# Altium PCB BC1-1A-BASIS.PcbDoc
Units mm, origin at the board's own origin, x right, y up, seen from the top; angles counter-clockwise.
Board outline 72 x 40 mm, 4 copper layers (Top Layer, Mid 1 (GND), Mid 2 (PWR), Bottom Layer), stack 1.586 mm thick; 104 components, 47 nets, 332 pads, 74 vias.
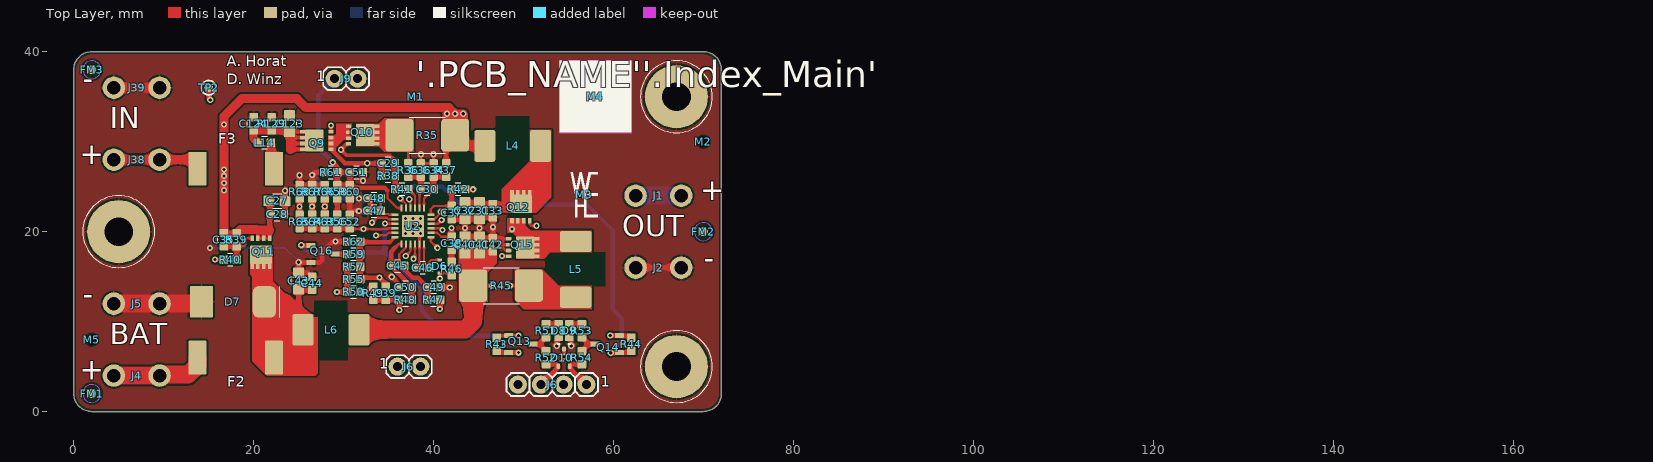
[diagram p0: Top Layer view]
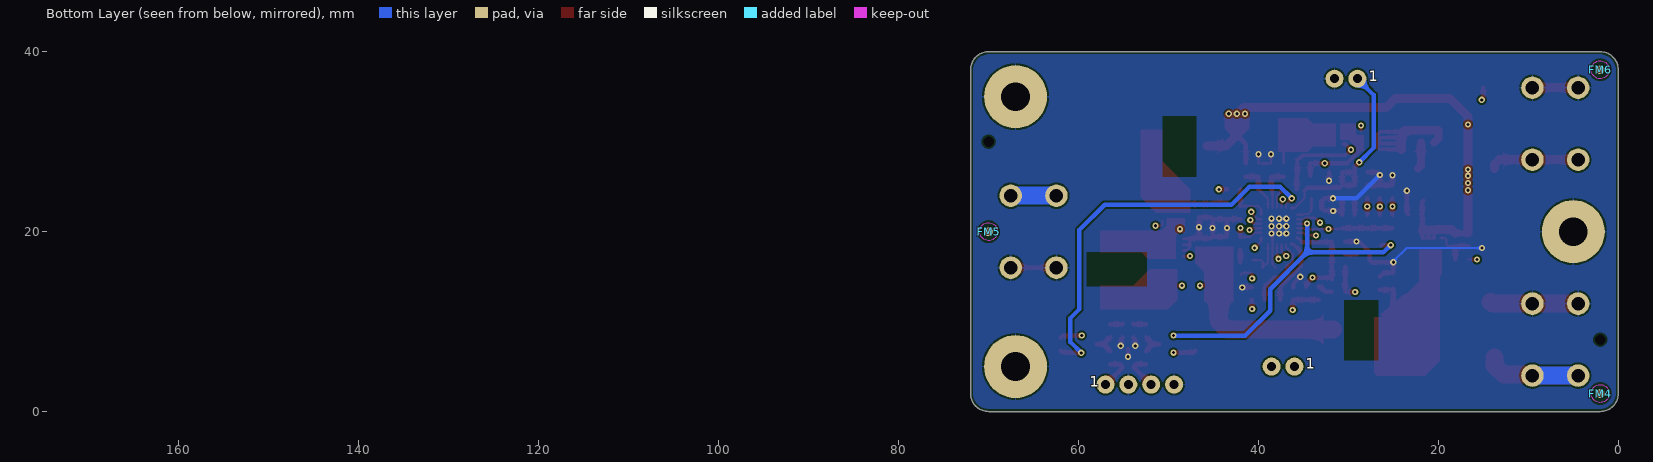
[diagram p1: Bottom Layer view, seen from below]
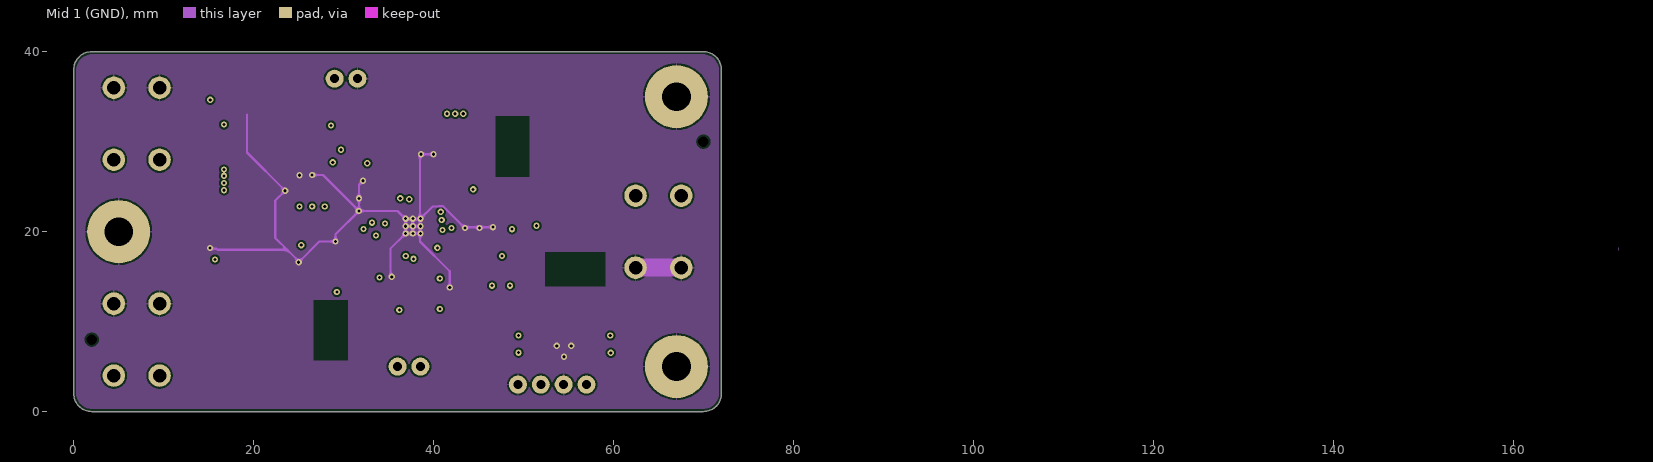
[diagram p2: Mid 1 (GND)]
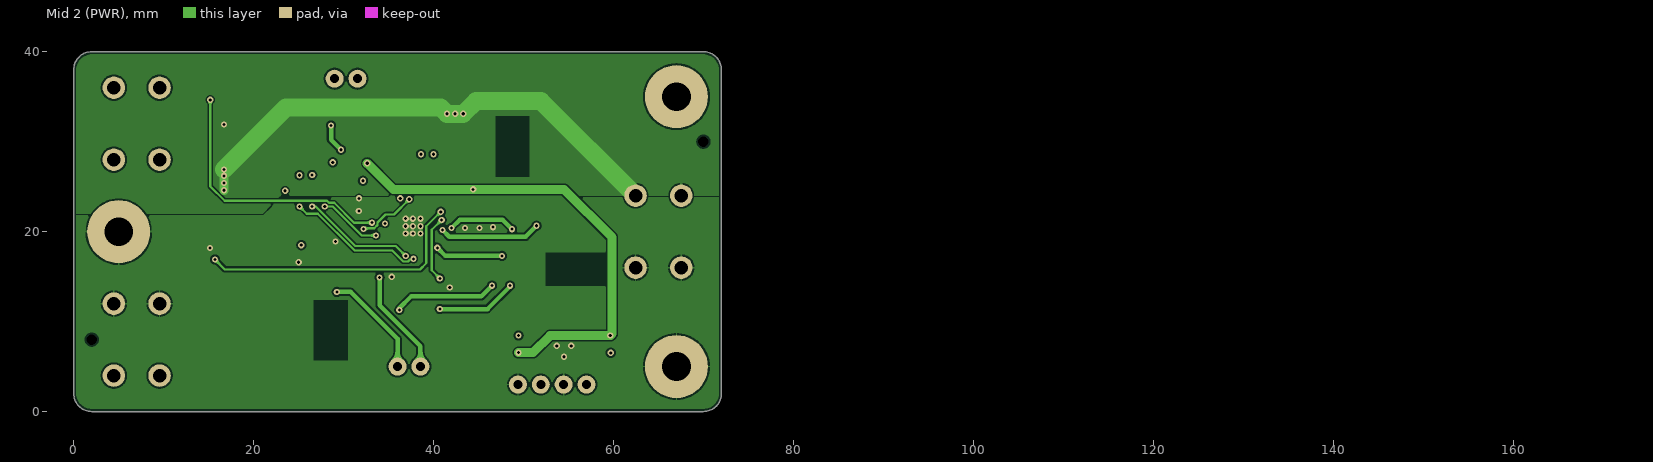
[diagram p3: Mid 2 (PWR)]
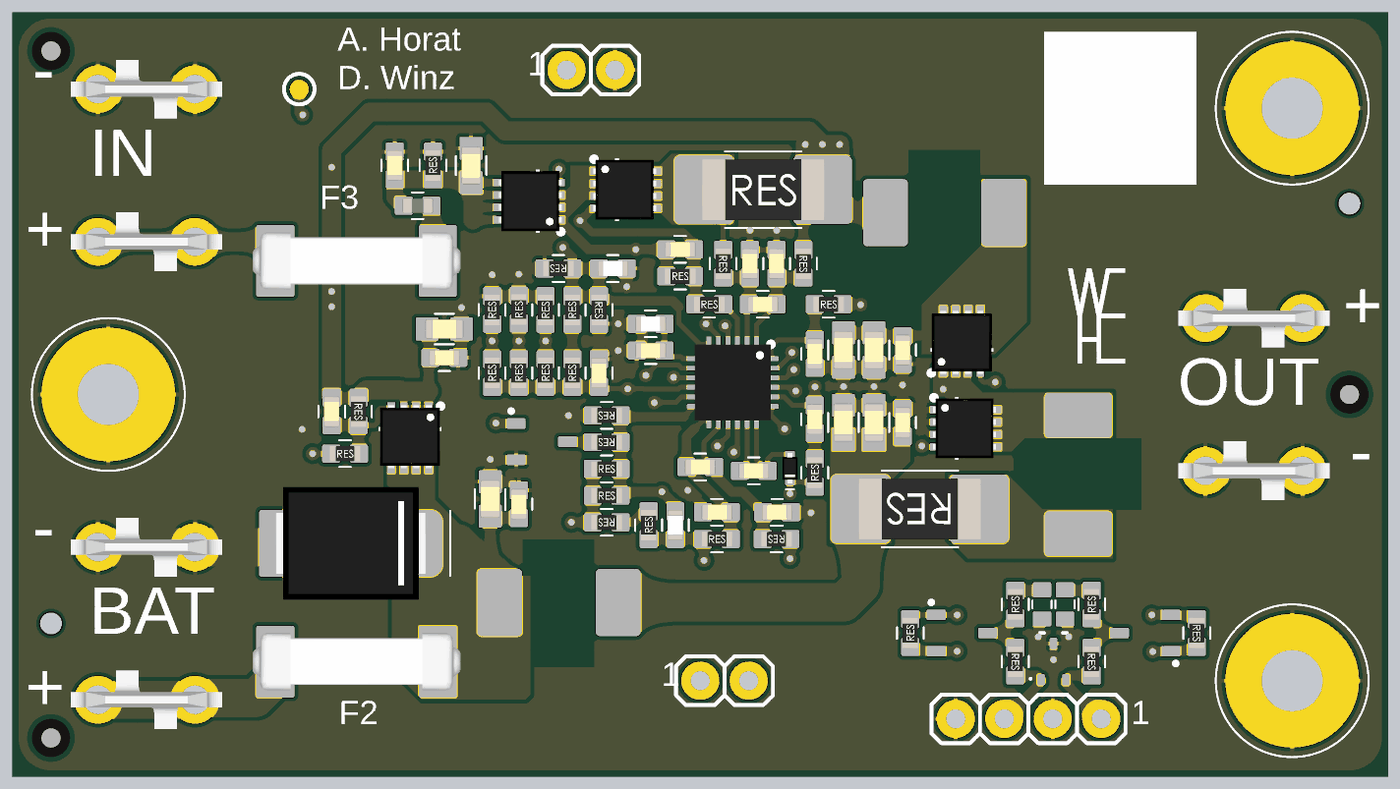
[diagram p4: 3D render of the assembled board from above, using the file's embedded part models]

## Layer stack, top to bottom
Top Solder: solder mask 0.0102, Solder Resist, Dk 3.5
Top Layer: signal copper 0.035
Dielectric 2: prepreg 0.2104, PP-006, Dk 4.1
Mid 1 (GND): signal copper 0.0152
Dielectric 1: dielectric 1.065, FR-4, Dk 4.8
Mid 2 (PWR): signal copper 0.0152
Dielectric 3: prepreg 0.2104, PP-006, Dk 4.1
Bottom Layer: signal copper 0.035
Bottom Solder: solder mask 0.0102, Solder Resist, Dk 3.5

## Board outline
0,2 ccw(c2,2) 2,0 70,0 ccw(c70,2) 72,2 72,38 ccw(c70,38) 70,40 2,40 ccw(c2,38) 0,38

## Design rules (kind name [scope] priority, off if disabled: settings)
BoardOutlineClearance [All] p1: gap=0.3 ignorepadtopadclearanceinfootprint=FALSE except(0: Arc-SplitContinuation Track-SplitContinuation SMDPad-SplitContinuation THPad-SplitContinuation Via-SplitContinuation Fill-SplitContinuation Poly-SplitContinuation Region-SplitContinuation Text-SplitContinuation)
Clearance Clearance_Nettie [InNet('NetJ50_1') or InNet('NetJ47_1') vs InNet('GND')] p1: gap=0 ignorepadtopadclearanceinfootprint=TRUE except(0.25: Arc-Poly Track-Poly SMDPad-Poly THPad-Poly Via-Poly Fill-Poly Poly-Poly)
Clearance Clearance_1 [All] p2: gap=0.2 ignorepadtopadclearanceinfootprint=FALSE except(0: Arc-Hole Track-Hole SMDPad-Hole THPad-Hole Via-Hole Fill-Hole Poly-Hole Region-Hole Text-Hole; 0.15: Arc-Arc Arc-Track Arc-SMDPad Arc-THPad Arc-Via Arc-Text Track-Track Track-SMDPad Track-THPad Track-Via Track-Text SMDPad-SMDPad SMDPad-THPad SMDPad-Via SMDPad-Text THPad-THPad THPad-Via THPad-Text Via-Via Via-Text Text-Text)
Clearance Clearance_LN1 [InNet('LN1') vs InNet('LN2')or InNet('L_f')] p3: gap=1 ignorepadtopadclearanceinfootprint=FALSE except(0: Arc-Hole Track-Hole SMDPad-Hole THPad-Hole Via-Hole Fill-Hole Poly-Hole Region-Hole Text-Hole)
Clearance Clearance_LN2 [InNet('LN2') vs InNet('LN1')or InNet('N_f')] p4: gap=1 ignorepadtopadclearanceinfootprint=FALSE except(0: Arc-Hole Track-Hole SMDPad-Hole THPad-Hole Via-Hole Fill-Hole Poly-Hole Region-Hole Text-Hole)
Clearance Clearance_L_N [InNet('L') or InNet('L_f')       or InNet('L_filt') vs InNet('N') or InNet('N_f')    or InNet('N1')         or InNet('N_filt')] p5: gap=3 ignorepadtopadclearanceinfootprint=FALSE except(0: Arc-Hole Track-Hole SMDPad-Hole THPad-Hole Via-Hole Fill-Hole Poly-Hole Region-Hole Text-Hole)
Clearance Clearance_Main [InNetClass('MAIN') vs not InNetClass('MAIN')] p6: gap=5 ignorepadtopadclearanceinfootprint=FALSE except(0: Arc-Hole Track-Hole SMDPad-Hole THPad-Hole Via-Hole Fill-Hole Poly-Hole Region-Hole Text-Hole)
DiffPairsRouting DiffPairsRouting_1 [InDifferentialPairClass('Ethernet')] p1: maxlimit=0.2 minlimit=0.2 mostfreqgap=0.2 toplayer_minwidth=0.25 toplayer_maxwidth=0.25 toplayer_prefwidth=0.25 midlayer1_minwidth=0.15 midlayer1_maxwidth=0.15 midlayer1_prefwidth=0.15 midlayer2_minwidth=0.15 midlayer2_maxwidth=0.15 midlayer2_prefwidth=0.15 bottomlayer_minwidth=0.25 bottomlayer_maxwidth=0.25 bottomlayer_prefwidth=0.25 impedanceprofiledriven=TRUE impedanceprofileid={F314AFD9-4B0A-4155-A8AD-14F866BC571A} impedanceprofilevalue=100.000000 maxuncoupledlength=12.7
DiffPairsRouting [All] p2: maxlimit=0.254 minlimit=0.254 mostfreqgap=0.254 toplayer_minwidth=0.381 toplayer_maxwidth=0.381 toplayer_prefwidth=0.381 midlayer1_minwidth=0.381 midlayer1_maxwidth=0.381 midlayer1_prefwidth=0.381 midlayer2_minwidth=0.381 midlayer2_maxwidth=0.381 midlayer2_prefwidth=0.381 bottomlayer_minwidth=0.381 bottomlayer_maxwidth=0.381 bottomlayer_prefwidth=0.381 maxuncoupledlength=12.7
Height [All] p1: minheight=0 maxheight=100 prefheight=12.7
HoleSize [All] p1: absolutevalues=TRUE maxlimit=27 minlimit=0.3 maxpercent=80.000 minpercent=20.000
HoleToHoleClearance [All] p1: gap=0.3 allowstackedmicrovias=TRUE
MinimumSolderMaskSliver [All] p1: minsoldermaskwidth=0.1
PolygonConnect [All] p1: thpad.connectstyle=Relief thpad.reliefconductorwidth=0.2 thpad.reliefentries=4 thpad.polygonreliefangle="90 Angle" thpad.airgapwidth=0.2 smdpad.connectstyle=Relief smdpad.reliefconductorwidth=0.2 smdpad.reliefentries=4 smdpad.polygonreliefangle="90 Angle" smdpad.airgapwidth=0.2 via.connectstyle=Direct via.reliefconductorwidth=0.254 via.reliefentries=4 via.polygonreliefangle="90 Angle" via.airgapwidth=0.254
RoutingVias [All] p1: holewidth=0.35 width=0.7 viastyle="Through Hole" minholewidth=0.35 minwidth=0.7 maxholewidth=5 maxwidth=6
SilkToSilkClearance [All] p1: silktosilkclearance=0.1
SilkToSolderMaskClearance [IsPad] p1: minsilkscreentomaskgap=0.1 clearancetoexposedcopper=TRUE
SolderMaskExpansion [All] p1: expansion=0.05 istentingtop=FALSE
UnRoutedNet [All] p1: checkbadconnections=TRUE
Width [All] p1: maxlimit=5 minlimit=0.15 preferedwidth=0.2 minimp=50.000000 maximp=50.000000 favimp=50.000000
22 further rules are at their usual default settings.

## Classes and differential pairs
component class TOP: FM1 FM2 FM3 FM4 FM5 FM6 J1 J2 M1 M2 M3 M4 M5
component class "Mains input": C123 C124 F3 J38 J39 L14 R129
component class "Charger Upper": C27 C28 C29 C30 C31 C32 C33 C34 C35 C36 C37 C38 C39 C40 C41 C42 C43 C44 C45 C46 C47 C48 C49 C50 C51 C52 D6 D7 D8 D9 D10 F2 J4 J5 J6 J9 L4 L5 L6 Q9 Q10 Q11 Q12 Q13 Q14 Q15 Q16 R35 R36 R37 R38 R39 R40 R41 R42 R43 R44 R45 R46 R47 R48 R49 R50 R51 R52 R53 R54 R55 R56 R57 R58 R59 R60 R61 R62 R63 R64 R65 R66 R67 R68 TP2 U2

## Components (designator, comment, footprint, x,y, rotation, side; value= is the part's Value field where it differs from the comment)
C27 "10U/0805/50V/X5R" CAP0805_X7R 22.6,23.427 r0 top value=10uF (schematic designator C200)
C28 "100N/0603/50V/X7R" CAP0603_X7R 22.6,21.927 r0 top value=100nF (schematic designator C201)
C29 "100N/0603/50V/X7R" CAP0603_X7R 34.949,27.599 r0 top value=100nF (schematic designator C203)
C30 "100N/0603/50V/X7R" CAP0603_X7R 39.275,24.727 r0 top value=100nF (schematic designator C202)
C31 "10U/0805/50V/X5R" CAP0805_X7R 45.1,22.327 r270 top value=10uF (schematic designator C204)
C32 "10U/0805/50V/X5R" CAP0805_X7R 43.5,22.327 r270 top value=10uF (schematic designator C205)
C33 "100N/0603/50V/X7R" CAP0603_X7R 46.6,22.327 r270 top value=100nF (schematic designator C206)
C34 "100N/0603/50V/X7R" CAP0603_X7R 40,26.852 r90 top value=100nF (schematic designator C225)
C35 "100N/0603/50V/X7R" CAP0603_X7R 16.701,19.1 r270 top value=100nF (schematic designator C208)
C36 "100N/0603/50V/X7R" CAP0603_X7R 38.6,26.852 r90 top value=100nF (schematic designator C209)
C37 "1.0U/0603/50V/X7R" CAP0603_X7R 42,22.127 r90 top value=1.0uF (schematic designator C207)
C38 "1.0U/0603/50V/X7R" CAP0603_X7R 42,18.7 r90 top value=1.0uF (schematic designator C211)
C39 "10P/0603/50V/C0G" CAP0603_C0G 34.7,13.152 r90 top value=10pF (schematic designator C213)
C40 "22U/0805/25V/X5R" CAP0805_X7R 43.5,18.527 r90 top value=22uF (schematic designator C214)
C41 "22U/0805/25V/X5R" CAP0805_X7R 45.1,18.527 r90 top value=22uF (schematic designator C215)
C42 "100N/0603/50V/X7R" CAP0603_X7R 46.6,18.527 r90 top value=100nF (schematic designator C216)
C43 "10U/0805/50V/X5R" CAP0805_X7R 25,14.527 r90 top value=10uF (schematic designator C217)
C44 "100N/0603/50V/X7R" CAP0603_X7R 26.5,14.252 r90 top value=100nF (schematic designator C218)
C45 "100N/0603/50V/X7R" CAP0603_X7R 36.001,16.2 r180 top value=100nF (schematic designator C212)
C46 "1.0U/0603/50V/X7R" CAP0603_X7R 38.801,16 r0 top value=1.0uF (schematic designator C219)
C47 "100N/0603/50V/X7R" CAP0603_X7R 33.401,22.3 r180 top value=100nF (schematic designator C220)
C48 "10N/0603/50V/C0G" CAP0603_C0G 33.401,23.7 r180 top value=10nF (schematic designator C221)
C49 "100N/0603/50V/X7R" CAP0603_X7R 40.025,13.827 r0 top value=100nF (schematic designator C222)
C50 "100N/0603/50V/X7R" CAP0603_X7R 36.875,13.827 r180 top value=100nF (schematic designator C223)
C51 "10P/0603/50V/C0G" CAP0603_C0G 31.425,26.6 r0 top value=10pF (schematic designator C224)
C52 "1.0U/0603/50V/X7R" CAP0603_X7R 30.7,21.127 r90 top value=1.0uF (schematic designator C210)
C123 "10U/0805/50V/X5R" CAP0805_X7R 24,32 r90 top value=10uF (schematic designator C100)
C124 "100N/0603/50V/X7R" CAP0603_X7R 20,32 r90 top value=100nF (schematic designator C101)
D6 "BAS70-02V-G3-08" SOD1608X065 40.7,16.127 r90 top value=70V/100mA (schematic designator D203)
D7 "5.0SMDJ15CA" DIOM7959X265 17.7,12.2 r180 top (schematic designator D202)
D8 "LED Green" LED0603_GREEN 53.9,9 r90 top value=Green (schematic designator D200)
D9 "LED Red" LED0603_RED 55.1,9 r90 top value=Red (schematic designator D201)
D10 "PESD1CAN-UX" SOT65P210X95-3-SE 54.5,6 r270 top (schematic designator D204)
F2 "6.3A/UMT250/FUSE" UMT250 18,6 r180 top value=6.3A (schematic designator F200)
F3 "3.15A/UMT250/FUSE" UMT250 18,27 r0 top value=3.15A (schematic designator F100)
FM1 "Fidu_1mm" FIDU-1MM 2,2 r0 top
FM2 "Fidu_1mm" FIDU-1MM 70,20 r0 top
FM3 "Fidu_1mm" FIDU-1MM 2,38 r0 top
FM4 "Fidu_1mm" FIDU-1MM 2,2 r180 bottom
FM5 "Fidu_1mm" FIDU-1MM 70,20 r180 bottom
FM6 "Fidu_1mm" FIDU-1MM 2,38 r180 bottom
J1 "6.35mmx0.81mm Tab THT" Tab_THT_635 65,24 r180 top
J2 "6.35mmx0.81mm Tab THT" Tab_THT_635 65,16 r180 top
J4 "6.35mmx0.81mm Tab THT" Tab_THT_635 7,4 r180 top (schematic designator J200)
J5 "6.35mmx0.81mm Tab THT" Tab_THT_635 7,12 r180 top (schematic designator J201)
J6 "Header_1x2" HEAD_254_1X2 36,5 r90 top
J6 "Header_1x4" HEAD_254_1X4 57,3 r270 top (schematic designator J203)
J9 "Header_1x2" HEAD_254_1X2 29,37 r90 top
J38 "6.35mmx0.81mm Tab THT" Tab_THT_635 7,28 r0 top (schematic designator J101)
J39 "6.35mmx0.81mm Tab THT" Tab_THT_635 7,36 r0 top (schematic designator J102)
L4 "470NH/6630" INDM660730X30 48.8,29.527 r0 top value=470NH (schematic designator L200)
L5 "22UH/6630" INDM660730X30 55.801,15.8 r270 top value=22UH (schematic designator L201)
L6 "470NH/6630" INDM660730X30 28.601,9.1 r0 top value=470NH (schematic designator L202)
L14 "30R/0603/FERRITE" FB0603 21.199,29.89 r180 top value=30R (schematic designator L100)
M1 "PCB NAME" PCB-NAME-5MM-LEFT 38,35 r0 top
M2 "Tooling JLC" TOOLING-JLC 70,30 r0 top
M3 "LOGO WHE" LOGO-WHE-5MM 55.75,21.625 r0 top
M4 "SERIAL 2D" SERIAL-2D-8MM-RESTRICT 58,35 r0 top
M5 "Tooling JLC" TOOLING-JLC 2,8 r90 top
Q9 "MCG35P04-TP" SON065P330X330X075-5-TH245X175 27.1,30.127 r90 top (schematic designator Q200)
Q10 "MCG35P04-TP" SON065P330X330X075-5-TH245X175 32.04,30.727 r270 top (schematic designator Q201)
Q11 "MCG35P04-TP" SON065P330X330X075-5-TH245X175 20.8,17.787 r180 top (schematic designator Q202)
Q12 "GSFN1036" SON065P330X330X075-5-TH245X175 49.7,22.727 r0 top (schematic designator Q203)
Q13 "BSS84" SOT2395P280X125-3-SE 49.7,7.5 r180 top (schematic designator Q206)
Q14 "BSS84" SOT2395P280X125-3-SE 59.3,7.5 r0 top (schematic designator Q207)
Q15 "GSFN1036" SON065P330X330X075-5-TH245X175 49.84,18.227 r270 top (schematic designator Q204)
Q16 "2N7002" SOT2395P280X125-3-SE 27.7,17.527 r180 top (schematic designator Q205)
R35 "0R025/2512" R2512-0.65-WW 39.3,30.727 r0 top value=0R025 (schematic designator R200)
R36 "0R/0603" R0603-0.40-WW 37.2,26.852 r270 top value=0R (schematic designator R227)
R37 "0R/0603" R0603-0.40-WW 41.4,26.852 r270 top value=0R (schematic designator R228)
R38 "100K/0603" R0603-0.40-WW 34.949,26.199 r0 top value=100K (schematic designator R201)
R39 "100K/0603" R0603-0.40-WW 18.101,19.1 r270 top value=100K (schematic designator R202)
R40 "1K/0603" R0603-0.40-WW 17.401,16.9 r0 top value=1K (schematic designator R203)
R41 "1K/0603" R0603-0.40-WW 36.475,24.727 r0 top value=1K (schematic designator R204)
R42 "10R/0603" R0603-0.40-WW 42.725,24.727 r0 top value=10R (schematic designator R226)
R43 "100K/0603" R0603-0.40-WW 47,7.5 r90 top value=100K (schematic designator R207)
R44 "100K/0603" R0603-0.40-WW 62,7.5 r270 top value=100K (schematic designator R231)
R45 "0R025/2512" R2512-0.65-WW 47.501,14 r180 top value=0R025 (schematic designator R208)
R46 "10R/0603" R0603-0.40-WW 42,15.9 r90 top value=10R (schematic designator R209)
R47 "0R/0603" R0603-0.40-WW 40,12.427 r180 top value=0R (schematic designator R229)
R48 "0R/0603" R0603-0.40-WW 36.875,12.427 r0 top value=0R (schematic designator R230)
R49 "51K/0603" R0603-0.40-WW 33.3,13.152 r90 top value=51K (schematic designator R210)
R50 "680K/0603" R0603-0.40-WW 31.101,13.3 r180 top value=680K (schematic designator R211)
R51 "2K2/0603" R0603-0.40-WW 52.5,9 r90 top value=2K2 (schematic designator R205)
R52 "0R/0603" R0603-0.40-WW 52.5,6 r270 top value=0R (schematic designator R232)
R53 "2K2/0603" R0603-0.40-WW 56.5,9 r90 top value=2K2 (schematic designator R206)
R54 "0R/0603" R0603-0.40-WW 56.5,6 r270 top value=0R (schematic designator R233)
R55 "100K/0603/NTC/4700K" R0603-0.40-WW 31.101,14.7 r0 top value=100K (schematic designator R212)
R56 "47K/0603" R0603-0.40-WW 29.3,21.127 r90 top value=47K (schematic designator R213)
R57 "110K/0603" R0603-0.40-WW 31.101,16.1 r0 top value=110K (schematic designator R214)
R58 "20K/0603" R0603-0.40-WW 29.3,24.427 r90 top value=20K (schematic designator R215)
R59 "3M3/0603" R0603-0.40-WW 31.101,17.5 r180 top value=3M3 (schematic designator R216)
R60 "100K/0603/NTC/4700K" R0603-0.40-WW 30.7,24.427 r270 top value=100K (schematic designator R217)
R61 "150K/0603" R0603-0.40-WW 28.575,26.6 r180 top value=150K (schematic designator R218)
R62 "150K/0603" R0603-0.40-WW 31.101,18.9 r180 top value=150K (schematic designator R219)
R63 "75K/0603" R0603-0.40-WW 27.901,21.127 r90 top value=75K (schematic designator R220)
R64 "16K/0603" R0603-0.40-WW 26.501,21.127 r90 top value=16K (schematic designator R221)
R65 "62K/0603" R0603-0.40-WW 25.101,21.127 r90 top value=62K (schematic designator R222)
R66 "24K/0603" R0603-0.40-WW 27.901,24.427 r90 top value=24K (schematic designator R223)
R67 "2K2/0603" R0603-0.40-WW 26.501,24.452 r90 top value=2K2 (schematic designator R224)
R68 "27K/0603" R0603-0.40-WW 25.101,24.427 r90 top value=27K (schematic designator R225)
R129 "1M/0603" R0603-0.40-WW 22,32 r90 top value=1M (schematic designator R102)
TP2 "TP_SMD_1" TP_SMD_1 15,36 r270 top (schematic designator TP200)
U2 "BQ24610" QFN050P400X400X100-24-TH245X245 37.7,20.627 r270 top (schematic designator U200)

## Footprints (in the part's own frame and the unit in brackets; to place one, negate y for a bottom-side part, rotate by r counter-clockwise, add the part's x,y. Pads: shape width x height; smd on the part's side, far side on the other; paste and mask are expansions set on the pad)
CAP0603_C0G [mm]
  rrect20% 0.95x0.95 smd: 1(-0.725,0) 2(0.725,0)
  silkscreen extent -0.3,-0.7 0.3,0.7, body extent -0.8,-0.41 0.8,0.41, height 0.57
CAP0603_X7R [mm]
  rrect20% 0.95x0.95 smd: 1(-0.725,0) 2(0.725,0)
  silkscreen extent -0.3,-0.7 0.3,0.7, body extent -0.8,-0.41 0.8,0.41, height 0.57
CAP0805_X7R [mm] "Chip Capacitor 0805mil / 2012mm"
  rrect10% 1.2x1.2 smd: 1(-0.9,0) 2(0.9,0)
  silkscreen extent -0.5,-0.8 0.5,0.8, body extent -1,-0.51 1,0.51, height 0.72
DIOM7959X265 [mm] "DO-214AB"
  rrect50% 2.6x3.5 smd: 1(-3.5,0)
  rrect10% 2.6x3.5 smd: 2(3.5,0)
  silkscreen extent -5.2,-1.7 -5.2,1.7, body extent -3.95,-2.95 3.95,2.95, height 2.3
FB0603 [mm]
  rrect20% 0.95x0.95 smd: 1(-0.725,0) 2(0.725,0)
  silkscreen extent -0.3,-0.7 0.3,0.7, body extent -0.8,-0.4 0.8,0.4, height 1
FIDU-1MM [mm] "Fiducial 1mm"
  round 1 smd mask+0.5: 1(0,0)
  Top Layer keep-out circle w0.1: c0,0 r1
HEAD_254_1X2 [mm] "Header 2.54mm 1x2"
  round 2 hole 1: 1(0,0) 2(0,-2.54)
  silkscreen extent -1.27,-3.81 1.27,1.27, body extent -1.27,-3.81 1.27,1.27, height 10
HEAD_254_1X4 [mm] "Header 2.54mm 1x4"
  round 2 hole 1: 1(0,0) 2(0,-2.54) 3(0,-5.08) 4(0,-7.62)
  silkscreen extent -1.27,-8.89 1.27,1.27, body extent -1.27,-8.89 1.27,1.27, height 10
INDM660730X30 [mm]
  rrect20% 2.35x3.52 smd: 1(-3.1,0) 2(3.1,0)
  body extent -3.7,-3.4 3.7,3.3, height 3
LED0603_GREEN [mil]
  rrect20% 31x38 smd: 1(-30,0) 2(30,0)
  silkscreen extent -59,-20 8,20, body extent -31,-16 31,16, height 31
LED0603_RED [mil]
  rrect20% 31x38 smd: 1(-30,0) 2(30,0)
  silkscreen extent -59,-20 8,20, body extent -31,-16 31,16, height 31
LOGO-WHE-5MM [mm]
  round 0.006 on Mech11: 1(-0.5,5) 1(-0.5,5) 1(-0.25,5) 1(-0.25,5) 1(0,0) 1(0,0) 1(0,2.5) 1(0,2.5) 1(0,2.5) 1(0.125,3.125) 1(0.125,3.125) 1(0.25,0) 1(0.25,0) 1(0.25,1.125) 1(0.25,1.125) 1(0.25,1.375) 1(0.25,1.375) 1(0.25,2.5) 1(0.25,2.5) 1(0.25,2.5) 1(0.5,5) 1(0.5,5) 1(0.625,4.375) 1(0.625,4.375) 1(0.75,5) 1(0.75,5) 1(1,0) 1(1,0) 1(1,1.125) 1(1,1.125) 1(1,1.375) 1(1,1.375) 1(1,2.5) 1(1,2.5) 1(1.125,3.125) 1(1.125,3.125) 1(1.25,0) 1(1.25,0) 1(1.25,0.25) 1(1.25,0.25) 1(1.25,2.375) 1(1.25,2.375) 1(1.275,2.625) 1(1.275,2.625) 1(1.5,5) 1(1.5,5) 1(1.7,4.75) 1(1.7,4.75) 1(1.75,5) 1(1.75,5) 1(2.5,0) 1(2.5,0) 1(2.5,0.25) 1(2.5,0.25) 1(2.5,2.375) 1(2.5,2.375) 1(2.5,2.625) 1(2.5,2.625) 1(2.5,4.75) 1(2.5,4.75) 1(2.5,5) 1(2.5,5)
  silkscreen extent -0.5,0 2.5,5
PCB-NAME-5MM-LEFT [mm]
QFN050P400X400X100-24-TH245X245 [mm]
  rrect50% 0.8x0.25 smd mask+0.038: 1(-2,1.25) 13(2,-1.25) 14(2,-0.75) 15(2,-0.25) 16(2,0.25) 17(2,0.75) 18(2,1.25)
  round 0.5 on Top Overlay: 1(-2,2)
  rrect10% 0.8x0.25 smd mask+0.038: 2(-2,0.75) 3(-2,0.25) 4(-2,-0.25) 5(-2,-0.75) 6(-2,-1.25)
  rrect50% 0.25x0.8 smd mask+0.038: 7(-1.25,-2) 8(-0.75,-2) 9(-0.25,-2) 10(0.25,-2) 11(0.75,-2) 12(1.25,-2) 19(1.25,2) 20(0.75,2) 21(0.25,2) 22(-0.25,2) 23(-0.75,2) 24(-1.25,2)
  rrect10% 2.45x2.45 smd mask+0.038: EP(0,0)
  body extent -2.01,-2.01 2.01,2.01, height 0.81
R0603-0.40-WW [mm]
  rrect20% 0.95x0.95 smd: 1(-0.725,0) 2(0.725,0)
  silkscreen extent -0.3,-0.7 0.3,0.7, body extent -0.8,-0.4 0.8,0.4, height 0.3
R2512-0.65-WW [mm]
  rrect20% 3.1x3.6 smd: 1(-3.1,0) 2(3.1,0)
  silkscreen extent -2,-2 2,2, body extent -3.2,-1.6 3.2,1.6, height 0.68
SERIAL-2D-8MM-RESTRICT [mm] "Placeholder for 2D serial number (Dotmatrix or QR) / Restricts vias, tracks and pads on top layer / Size: 8mm"
  Top Layer keep-out region: -4,-4 4,-4 4,4 -4,4
  silkscreen extent -4,-4 4,4
SOD1608X065 [mm] "SOD523"
  rrect50% 0.35x0.5 smd: 1(-0.725,0)
  rrect10% 0.35x0.5 smd: 2(0.725,0)
  silkscreen extent -1.1,-0.2 -1.1,0.2, body extent -0.8,-0.4 0.8,0.4, height 0.65
SON065P330X330X075-5-TH245X175 [mm]
  round 0.5 on Top Overlay: 1(-1.6,-1.6)
  rrect10% 0.4x0.6 smd: 1(-0.975,-1.5) 2(-0.325,-1.5) 3(0.325,-1.5) 4(0.975,-1.5) 5(-0.975,1.625) 5(-0.325,1.625) 5(0.325,1.625) 5(0.975,1.625)
  rrect10% 2.45x2.03 smd: 5(0,0.36)
  body extent -1.65,-1.65 1.65,1.65, height 0.75
SOT65P210X95-3-SE [mm] "SOT-323"
  round 0.2 on Top Overlay: 1(0.9,-1.2)
  rrect50% 0.6x0.4 smd: 1(0.95,-0.65) 2(0.95,0.65) 3(-0.95,0)
  body extent -1.1,-1.1 1.1,1.1, height 1.11
SOT2395P280X125-3-SE [mm] "SOT23-3, SC74"
  rrect25% 1x0.55 smd: 1(1.35,-0.95) 2(1.35,0.95) 3(-1.35,0)
  round 0.4 on Top Overlay: 1(1.6,-1.6)
  body extent -1.4,-1.45 1.4,1.45, height 1.26
Tab_THT_635 [mm]
  round 2.5 hole 1.5: 1(-2.54,0) 1(2.54,0)
  body extent -3.96,-1.54 3.96,1.54, height 10.21
TOOLING-JLC [mm] "Tooling holes as specified by JLCPCB"
  round 0 hole 1.152 unplated paste-2539.97 mask+0.65: 0(0,0)
TP_SMD_1 [mm] "Testpoint SMD 1mm"
  round 1 smd paste-2539.97: 1(0,0)
  silkscreen extent -0.8,-0.8 0.8,0.8
UMT250 [mm]
  rrect10% 2x3.75 smd: 1(-4.25,0) 2(4.25,0)
  body extent -5.45,-1.5 5.45,1.5, height 3.01